# Altium PCB Board_Design.PcbDoc (part 2 of 3)
Units mil, origin at the board's own origin, x right, y up, seen from the top; angles counter-clockwise.
Board outline 5510 x 2520.05 mil, 4 copper layers (Top Layer, Power, Ground, Bottom Layer); 245 components, 237 nets, 989 pads, 502 vias.
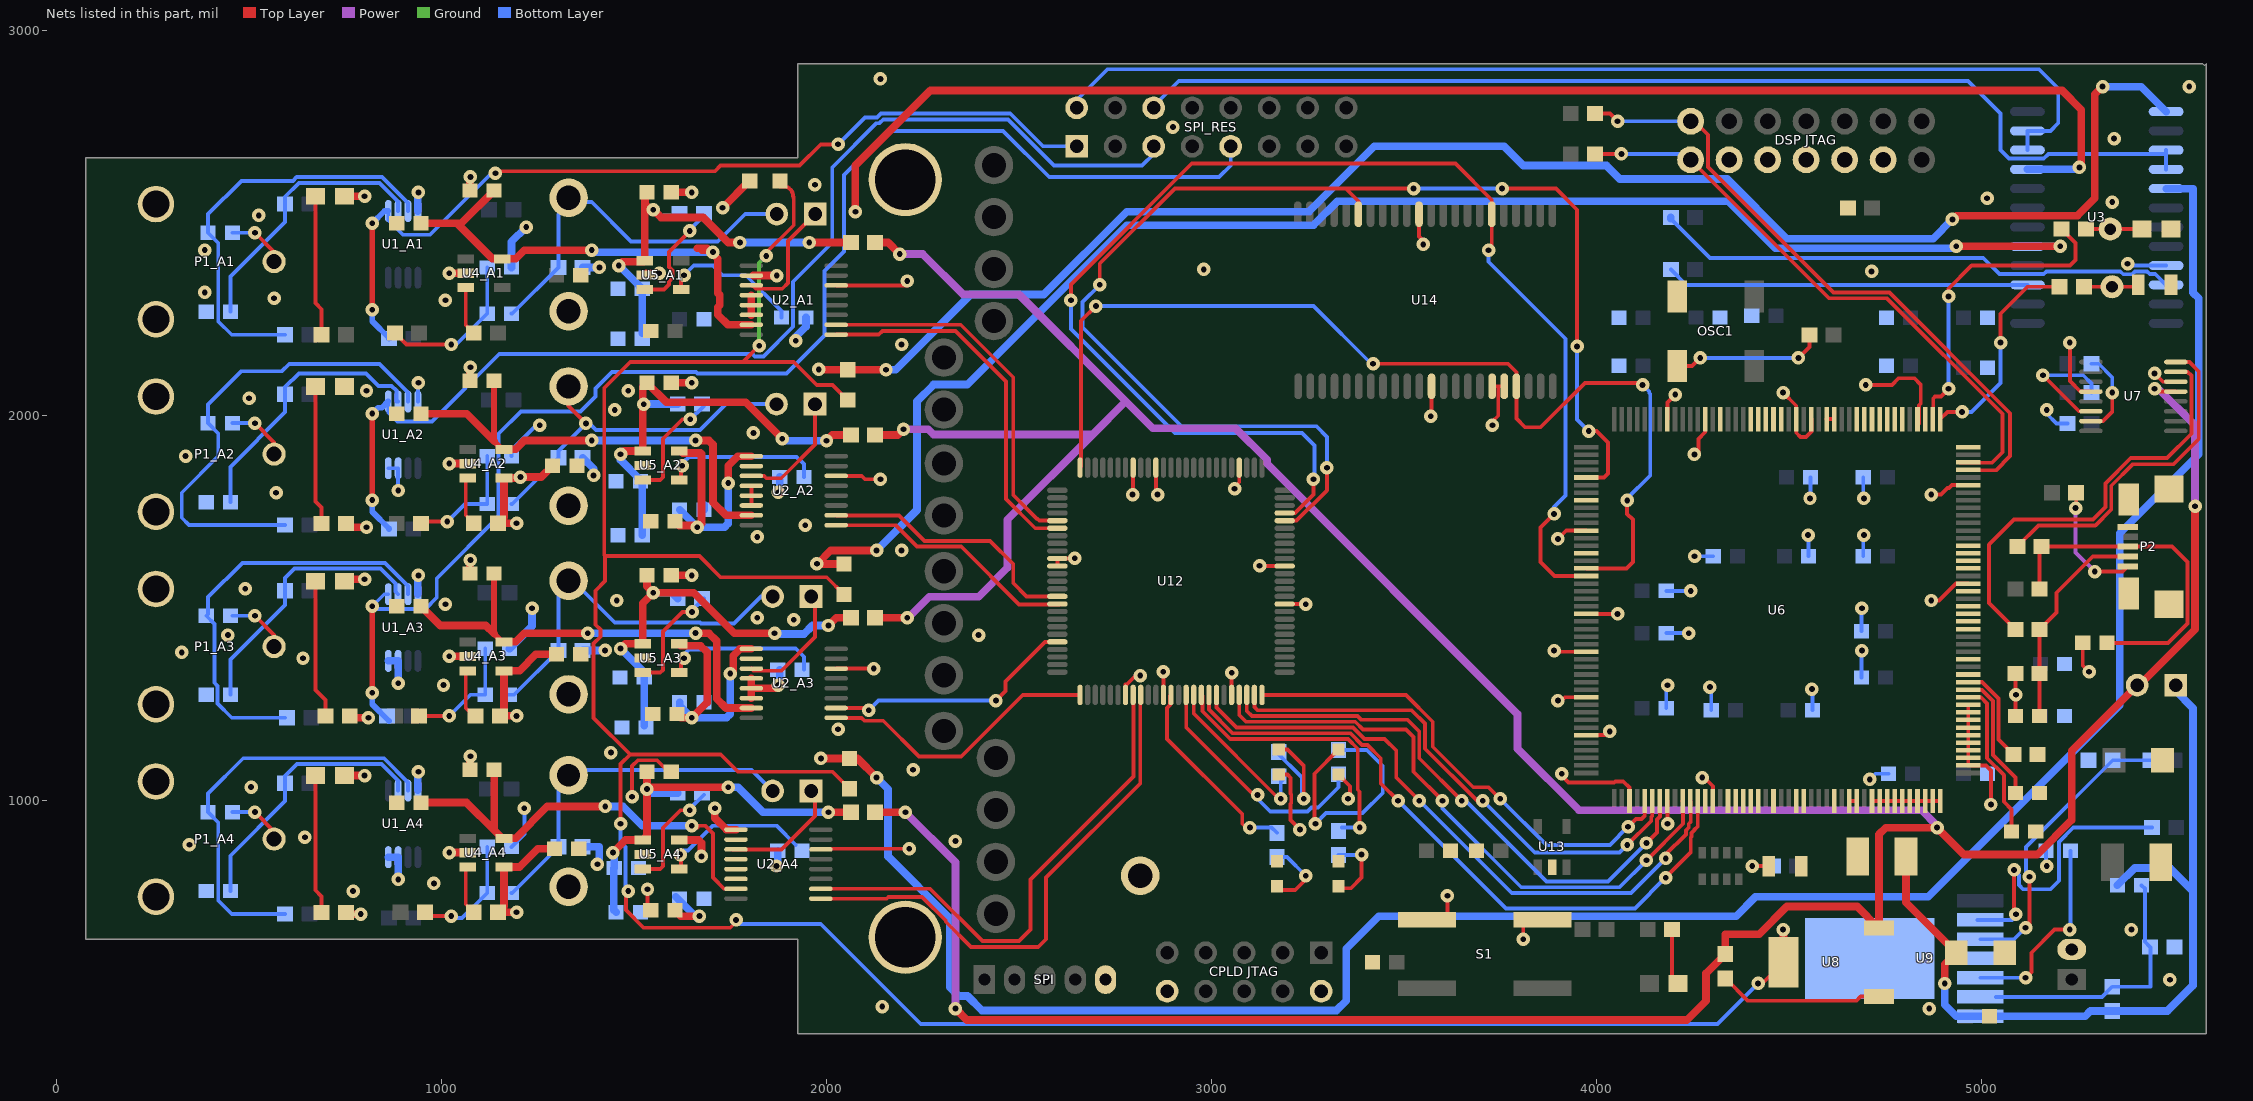
[diagram p4: the nets of this part, all layers, seen from the top]

## Via types
v1: diameter 35, hole 15, Top Layer to Bottom Layer, tented both sides, 501 vias
v2: diameter 35, hole 15, Top Layer to Bottom Layer, tented top, 1 vias

## Nets (pads, with @x,y where several pads share a name; then routed paths per layer and width w, separated by ;. In a path a pad name is that pad's centre, name@x,y a point inside that pad or via, vN(x,y) a via of type N, cw(c..) or ccw(c..) an arc to the next point about the centre after c; other vN are vias at no path point) (continued)
4.2V_A2: C1_A2.2 C7_A2.2 C63_A2.1 R5_A2.2 R7_A2.1 U1_A2.7 U1_A2.8 U2_A2.1 U4_A2.4 U5_A2.5 | length 1133.4
  Top Layer w20: R7_A2.1@751.5,1715.73 757.22,1710 v1(805,1710) ; U4_A2.4@1157.24,1838.32 v1@1202.6,1838.32 ; U4_A2.4@1162.24,1837.81 1162.24,1736.47 R5_A2.2@1146.5,1720.73 v1(1195,1720.73) ; v1(1205,1840.73) 1259.23,1840.73 C63_A2.1@1288.5,1870 ; C7_A2.2@1606.5,1725.73 1617.22,1715 1670,1715 1675,1720 1675,1900.73 1672.5,1903.23 1627.15,1903.23 U5_A2.5@1622.24,1908.13 ; v1(1745,1825) 1745,1870.21 1769.57,1894.78 U2_A2.1@1804.76,1894.78
  Bottom Layer w10: U1_A2.8@861.61,1863.6 U1_A2.7@887.2,1863.6 v1(887.2,1805.73)
  Bottom Layer w20: C1_A2.2@1618.5,1755.73 v1(1664.02,1710.21) 1735,1710.21 1745,1720.21 v1(1745,1825)
4.2V_A3: C1_A3.2 C7_A3.2 C63_A3.1 R5_A3.2 R7_A3.1 U1_A3.7 U1_A3.8 U2_A3.1 U4_A3.4 U5_A3.5 | length 1151.5
  Top Layer w20: R7_A3.1@751.5,1215.21 v1(810,1215.21) ; U4_A3.4@1157.24,1337.81 1202.6,1337.81 1244.79,1380 C63_A3.1@1298.5,1380 ; U4_A3.4@1162.24,1337.3 1162.24,1230.96 R5_A3.2@1151.5,1220.21 v1(1195,1220.21) ; C7_A3.2@1606.5,1225.21 C7_A3.2@1611.5,1225.21 1621.5,1215.21 v1(1650,1215.21) 1690,1255.21 1690,1385.21 1672.5,1402.71 1622.15,1402.71 U5_A3.5@1617.24,1407.62 ; v1(1750,1330) 1755.88,1330 1758.05,1332.17 1758.05,1376.84 1775.48,1394.27 U2_A3.1@1804.76,1394.27
  Bottom Layer w20: U1_A3.8@861.61,1363.09 U1_A3.7@887.2,1363.09 v1(887.2,1305.21) ; C1_A3.2@1618.5,1255.21 1618.5,1246.71 v1(1650,1215.21) 1740,1215.21 1750,1225.21 v1(1750,1330)
4.2V_A4: C1_A4.2 C7_A4.2 C63_A4.1 R5_A4.2 R7_A4.1 U1_A4.7 U1_A4.8 U2_A4.1 U4_A4.4 U5_A4.5 | length 782.2
  Top Layer w20: R7_A4.1@751.5,705.21 v1(790,705.21) ; U4_A4.4@1157.24,827.81 1202.6,827.81 1249.79,875 C63_A4.1@1293.5,875 ; U4_A4.4@1162.24,827.3 1162.24,725.96 R5_A4.2@1146.5,710.21 v1(1195,710.21) ; C7_A4.2@1606.5,715.21 1621.71,700 v1(1670,700) ; U5_A4.5@1622.24,897.62 1667.6,897.62 1675,890.21 v1(1675,855) ; v1(1710,980) 1710,955 1740.43,924.57 U2_A4.1@1764.76,924.57
  Bottom Layer w20: U1_A4.8@861.61,853.09 U1_A4.7@887.2,853.09 v1(887.2,795.21) ; C1_A4.2@1608.5,750.43 v1@1664.47,694.47
4.096V_A1: C5_A1.2 C62_A1.1 U2_A1.7 U4_A1.5 | length 1295.6
  Top Layer w10: 1665,2435.21 1675.21,2425 1700.21,2425 v1(1705,2425)
  Top Layer w20: C62_A1.1@946.5,2500 1040,2500 ; C5_A1.2@1136.5,2585.21 1051.28,2500 1040,2500 ; v1(1390,2430.21) 1215,2430.21 1192.4,2407.62 U4_A1.5@1157.24,2407.62 1132.38,2407.62 1040,2500 ; 1665,2435.21 1690,2435.21 1700.21,2425 1717.5,2407.71 1717.5,2318.68 1722.5,2313.68 1722.5,2286.75 1717.5,2281.75 1717.5,2262.71 1743.98,2236.24 U2_A1.7@1804.76,2236.24
  Bottom Layer w20: v1(1390,2430.21) 1395.21,2425 v1(1705,2425)
4.096V_A2: C5_A2.2 C62_A2.1 U2_A2.7 U4_A2.5 | length 1238
  Top Layer w10: v1(1660,1935.73) v1@1665,1940.73
  Top Layer w15: C5_A2.2@1136.5,2090.73 1136.5,1933.88 U4_A2.5@1157.24,1913.13
  Top Layer w20: C62_A2.1@946.5,2005 1065.37,2005 1136.5,1933.88 ; U4_A2.5@1157.24,1913.13 1192.4,1913.13 1215,1935.73 v1(1390,1935.73) ; v1(1660,1935.73) 1694.49,1935.73 1705,1925.21 1705,1775.21 1738.98,1741.24 U2_A2.7@1804.76,1741.24
  Bottom Layer w20: v1(1390,1935.73) v1(1660,1935.73)
4.096V_A3: C5_A3.2 C62_A3.1 U2_A3.7 U4_A3.5 | length 1238.4
  Top Layer w10: v1(1660,1435.21) v1@1665,1440.21
  Top Layer w15: C5_A3.2@1136.5,1590.21 1136.5,1433.36 U4_A3.5@1157.24,1412.62
  Top Layer w20: C62_A3.1@946.5,1505 996.5,1455 1114.86,1455 1136.5,1433.36 ; U4_A3.5@1157.24,1412.62 1192.4,1412.62 1215,1435.21 1215.21,1435 v1(1380,1435) ; v1(1660,1435.21) 1694.49,1435.21 1715,1414.7 1715,1264.7 1738.98,1240.73 U2_A3.7@1804.76,1240.73
  Bottom Layer w20: v1(1380,1435) 1659.79,1435 v1(1660,1435.21)
4.096V_A4: C5_A4.2 C62_A4.1 U2_A4.7 U4_A4.5 | length 1210.1
  Top Layer w10: v1(1650,935) v1@1660.21,935 ; v1@1665,930.21 v1@1660.21,935 ; U2_A4.7@1764.76,771.02 1733.98,771.02 1705,800 1705,914.7 1684.7,935 v1@1660.21,935
  Top Layer w20: C62_A4.1@946.5,995 1064.86,995 1136.5,923.36 ; C5_A4.2@1136.5,1080.21 1136.5,923.36 ; v1(1425,985) 1274.79,985 1192.4,902.62 1157.24,902.62 1136.5,923.36
  Bottom Layer w20: v1(1425,985) 1471.11,985 1521.11,935 v1(1650,935)
5V_A1: C6_A1.2 C50_A1.1 C61_A1.1 FB1_A1.2 R8_A1.2 U5_A1.1 | length 1114.3
  Top Layer w10: C6_A1.2@1533.5,2574.47 1533.5,2551.71 v1(1550,2535.21)
  Top Layer w20: v1(1460,2390) 1470,2400 1525.14,2400 U5_A1.1@1527.76,2402.62 C6_A1.2@1527.76,2574.47 ; v1(1550,2535.21) 1570.21,2515 1680,2515 1745,2450 v1(1775,2450) ; v1(1955,2450) FB1_A1.2@2063.5,2450
  Bottom Layer w10: v1(1550,2535.21) 1565,2520.21 R8_A1.2@1618.5,2520.21
  Bottom Layer w20: v1@1461.5,2390 C61_A1.1@1521.5,2330 C50_A1.1@1521.5,2215 ; v1(1775,2450) v1(1955,2450)
5V_A2: C6_A2.2 C50_A2.1 C61_A2.1 FB1_A2.2 R8_A2.2 U5_A2.1 | length 1156.7
  Top Layer w20: v1(1465,1900) 1473.13,1908.13 U5_A2.1@1522.76,1908.13 1522.76,2074.98 C6_A2.2@1533.5,2085.73 1584.23,2035 1790,2035 v1(1885,1940) ; v1(2000,1935) 2015,1950 FB1_A2.2@2063.5,1950
  Bottom Layer w20: v1(1465,1900) 1465,1885 1516.5,1833.5 C61_A2.1@1516.5,1830 ; C50_A2.1@1521.5,1690 C61_A2.1@1521.5,1825 ; v1(1525,2030) 1525.21,2030.21 R8_A2.2@1613.5,2030.21 ; v1(1885,1940) 1890,1935 v1(2000,1935)
5V_A3: C6_A3.2 C50_A3.1 C61_A3.1 FB1_A3.2 R8_A3.2 U5_A3.1 | length 1125.8
  Top Layer w20: v1(1465,1395) 1477.62,1407.62 U5_A3.1@1522.76,1407.62 1522.76,1512.97 v1(1550,1540.21) ; C6_A3.2@1533.5,1585.21 1533.5,1556.71 v1(1550,1540.21) ; v1(1865,1435) 1760,1435 1654.79,1540.21 v1(1550,1540.21) ; v1(2005,1455) 2025,1475 FB1_A3.2@2063.5,1475
  Bottom Layer w20: v1(1465,1395) 1526.5,1333.5 C61_A3.1@1526.5,1320 C50_A3.1@1526.5,1195 ; v1(1550,1540.21) 1598.5,1540.21 R8_A3.2@1613.5,1525.21 ; v1@1867.71,1432.71 1941.39,1432.71 1963.68,1455 v1(2005,1455)
5V_A4: C6_A4.2 C50_A4.1 C61_A4.1 FB1_A4.2 R8_A4.2 U5_A4.1 | length 1071
  Top Layer w20: v1(1445,865) 1477.62,897.62 U5_A4.1@1522.76,897.62 1533.5,908.36 v1(1533.5,1030) ; C6_A4.2@1533.5,1075.21 v1(1533.5,1030) ; v1(1745,1035) 1538.5,1035 v1(1533.5,1030) ; v1(2005,970) FB1_A4.2@2063.5,970
  Bottom Layer w20: v1@1448.5,861.5 C61_A4.1@1448.5,825 1447.5,824 1447.5,716 C50_A4.1@1453.5,710 ; v1(1533.5,1030) 1543.8,1019.7 R8_A4.2@1613.5,1019.7 ; v1(1745,1035) 1770,1035 1835,970 v1(2005,970)
5VD: 5V.2 FB1_A1.1 FB1_A2.1 FB1_A3.1 FB1_A4.1 R13.1 U7.13 U8.4 | length 10430.1
  Top Layer w10: v1(5450,2070) 5457.2,2062.8 U7.13@5505.24,2062.8
  Top Layer w20: FB1_A4.1@2126.5,970 v1(2205,970) ; FB1_A3.1@2126.5,1475 v1(2210,1475) ; FB1_A2.1@2126.5,1950 2185,1950 v1(2200,1965) ; FB1_A1.1@2126.5,2450 2160,2450 v1(2190,2420) ; v1(2335,460) 2365,430 4235,430 4285,480 4285,551.5 R13.1@4335,601.5 4335,652.71 4422.71,652.71 4495,725 4677.81,725 U8.4@4734.02,668.8 4734.02,912.08 4751.94,930 v1(4885,930) 4955,860 5145,860 5235,950 5235,1130 5V.2@5405,1300 5410,1300 5555.29,1445.29 v1(5555.29,1764.71)
  Power w20: v1(2190,2420) 2250,2420 2355,2315 2500,2315 2775,2040 ; v1(2200,1965) 2264.06,1965 2278.08,1950.98 2690.98,1950.98 ; v1(2205,970) 2335,840 v1(2335,460) ; v1@2212.09,1475 2267.09,1530 2395,1530 2470,1605 2470,1730 2690.98,1950.98 ; v1@4885,935 4845,975 3955,975 3795,1135 3795,1225 3144.72,1875.28 3144.72,1885.28 3062.5,1967.5 2847.5,1967.5 2775,2040 ; v1(5450,2070) 5460,2070 5555.29,1974.71 v1(5555.29,1764.71) ; 2690.98,1950.98 2775,2035 2775,2040
5VD_1: 5V.1 C49.2 C51.1 C52.1 R22.1 U9.7 | length 2180.8
  Top Layer w20: C51.1@4804.21,855 4804.21,735.79 C52.1@4935,605 4905,575 v1(4905,525)
  Bottom Layer w20: v1(4905,525) 4905,470 4935,440 U9.7@4997.6,440 5270,440 5283.5,453.5 R22.1@5340,453.5 5483.5,453.5 5550,520 5550,765 ; C49.2@5353.5,780 5398.5,825 5490,825 5550,765 ; 5V.1@5505,1300 5505,1285 5550,1240 5550,765
AGND1: AGND_A1.1 C1_A1.1 C2_A1.1 C5_A1.1 C6_A1.1 C7_A1.1 C8_A1.1 C23_A1.1 C50_A1.2 C61_A1.2 C62_A1.2 C63_A1.2 D1_A1.1 NT1_A1.1 P1_A1.2 P1_A1.3 R3_A1.1 U1_A1.4 U2_A1.2 U2_A1.4 U2_A1.5 U2_A1.6 U3.21 U4_A1.2 U5_A1.2 | length 4416.7
  Top Layer w20: D1_A1.1@747.4,2570.21 v1(800,2570.21) ; v1(1020,2370.21) U4_A1.2@1062.76,2370.21 ; C5_A1.1@1073.5,2585.21 v1@1073.5,2620.21 ; U5_A1.2@1527.76,2365.21 1532.54,2370 v1(1565,2370) ; C6_A1.1@1596.5,2580.21 v1(1650,2580.21) ; v1(1730,2540) 1800,2610 NT1_A1.1@1800.63,2610 ; U2_A1.5@1802.35,2285 U2_A1.5@1804.76,2287.42 ; U2_A1.6@1804.76,2261.83 U2_A1.5@1804.76,2287.42 ; U2_A1.4@1804.76,2313.01 U2_A1.5@1804.76,2287.42 ; U2_A1.2@1809.76,2364.19 v1(1871.02,2364.19) ; v1(2075,2530) 2075,2650 2270,2845 5210,2845 5260,2795 5260,2650 v1(5255,2645)
  Bottom Layer w20: U1_A1.4@938.39,2531.83 v1@938.39,2578.6 ; C23_A1.1@1181.5,2385 1181.5,2451.5 v1(1220,2490) ; R3_A1.1@1366.5,2385.21 v1(1410,2385.21) ; v1(1920,2195) 1920,2205 1946.5,2231.5 C8_A1.1@1946.5,2255.21 ; U3.21@5119.88,2640 5250,2640 v1(5255,2645)
  other v1: 1010,2300.21 565,2305 385,2320.21 385,2430.21 525,2520.21 940,2580.21 1970,2600 1075,2620.21
AGND2: AGND_A2.1 C1_A2.1 C2_A2.1 C5_A2.1 C6_A2.1 C7_A2.1 C8_A2.1 C23_A2.1 C50_A2.2 C61_A2.2 C62_A2.2 C63_A2.2 D1_A2.1 NT1_A2.1 P1_A2.2 P1_A2.3 R3_A2.1 U1_A2.4 U2_A2.2 U2_A2.4 U2_A2.5 U2_A2.6 U3.1 U4_A2.2 U5_A2.2 | length 4647.7
  Top Layer w10: U2_A2.6@1804.76,1766.83 U2_A2.5@1804.76,1792.42 U2_A2.4@1804.76,1818.01
  Top Layer w20: v1(1020,1875.73) U4_A2.2@1062.76,1875.73 ; C5_A2.1@1073.5,2090.73 v1@1073.5,2125.73 ; C6_A2.1@1596.5,2085.73 v1(1650,2085.73) ; v1@1984.17,2120 1984.58,2119.58 NT1_A2.1@2055,2119.58 v1(2154.58,2119.58) v1@2155,2120 ; v1(4925,2510) 4934.69,2519.69 5249.69,2519.69 5295,2565 5295,2835 v1(5315,2855)
  Bottom Layer w10: U1_A2.4@938.39,2037.34 v1@938.39,2084.11 ; C23_A2.1@1181.5,1895 1181.5,1911.5 1245,1975 v1(1255,1975)
  Bottom Layer w20: P1_A2.3@257.91,2049.82 P1_A2.3@257.91,2060 ; R3_A2.1@1366.5,1890.73 1395,1862.22 v1(1395,1845) ; C1_A2.1@1681.5,1755.73 C1_A2.1@1681.5,1768.5 ; v1@1878.5,1804.23 C8_A2.1@1878.5,1840.73 ; v1(2154.58,2119.58) 2179.58,2119.58 2375,2315 2564.64,2315 2779.64,2530 3253.28,2530 3423.28,2700 3760,2700 3810,2650 4026.11,2650 4061.11,2615 4340,2615 4495,2460 4875,2460 v1(4925,2510) ; v1(5315,2855) 5415.12,2855 U3.1@5480.12,2790
  other v1: 1820,1685.21 1945,1715.21 570,1800 1875,1800.73 335,1895.21 1810,1955.21 1450,2015.21 500,2045.21 805,2065 1485,2065 940,2085.73 1980,2120.21 1075,2125.73
AGND3: AGND_A3.1 C1_A3.1 C2_A3.1 C5_A3.1 C6_A3.1 C7_A3.1 C8_A3.1 C23_A3.1 C50_A3.2 C61_A3.2 C62_A3.2 C63_A3.2 D1_A3.1 NT1_A3.1 P1_A3.2 P1_A3.3 R3_A3.1 U1_A3.4 U2_A3.2 U2_A3.4 U2_A3.5 U2_A3.6 U3.17 U4_A3.2 U5_A3.2 | length 4572.5
  Top Layer w20: D1_A3.1@747.4,1575.21 v1(800,1575.21) ; v1(1020,1375.21) U4_A3.2@1062.76,1375.21 ; C5_A3.1@1073.5,1590.21 v1@1073.5,1625.21 ; C6_A3.1@1596.5,1585.21 v1(1650,1585.21) ; U2_A3.6@1804.76,1266.32 U2_A3.5@1804.76,1291.91 ; U2_A3.4@1804.76,1317.5 U2_A3.5@1804.76,1291.91 ; v1(1875,1300.21) 1866.69,1291.91 U2_A3.5@1804.76,1291.91 ; NT1_A3.1@2045,1614.58 1975.63,1614.58 2011.05,1650 v1(2130,1650) ; v1(4935,2440) v1(5205,2440)
  Bottom Layer w20: U1_A3.4@938.39,1536.83 v1@938.39,1583.6 ; C23_A3.1@1176.5,1395 1235,1453.5 v1(1235,1500) ; R3_A3.1@1366.5,1390.21 v1(1424.79,1390.21) ; v1@1878.5,1303.72 C8_A3.1@1878.5,1340.21 ; v1(2130,1650) 2235,1755 2235,2037.91 2278.08,2080.98 2365.98,2080.98 2780,2495 3265,2495 3327.5,2557.5 4342.5,2557.5 4465,2435 4930,2435 v1(4935,2440) ; U3.17@5119.88,2440 v1(5205,2440)
  other v1: 2030,1185.21 1005,1300.21 640,1370.21 325,1385.21 445,1430 1915,1470 1820,1475 1010,1510.21 1455,1520 490,1550.21 940,1585.21 1975,1615.21 1075,1625.21
AGND4: AGND_A4.1 C1_A4.1 C2_A4.1 C5_A4.1 C6_A4.1 C7_A4.1 C8_A4.1 C23_A4.1 C50_A4.2 C61_A4.2 C62_A4.2 C63_A4.2 D1_A4.1 NT1_A4.1 P1_A4.2 P1_A4.3 R3_A4.1 U1_A4.4 U2_A4.2 U2_A4.4 U2_A4.5 U2_A4.6 U3.5 U4_A4.2 U5_A4.2 | length 6440.6
  Top Layer w10: v1(1495,1010) 1495,1090 1510,1105 1560,1105 1589.79,1075.21 C6_A4.1@1596.5,1075.21 ; v1(1535,770) 1535,723.72 C7_A4.1@1543.5,715.21
  Top Layer w20: D1_A4.1@747.4,1065.21 v1(800,1065.21) ; v1(1020,865.21) U4_A4.2@1062.76,865.21 ; C5_A4.1@1073.5,1080.21 v1@1073.5,1115.21 ; v1(1985.63,1109.58) NT1_A4.1@2060,1109.58 2080.42,1109.58 v2(2130,1060)
  Bottom Layer w10: C23_A4.1@1181.5,880 1215,913.5 v1(1215,980)
  Bottom Layer w20: U1_A4.4@938.39,1026.83 v1@938.39,1073.6 ; R3_A4.1@1366.5,880.21 1410,880.21 1410,840 v1(1405,835) ; v1@1873.5,833.72 C8_A4.1@1873.5,870.21 ; v2(2130,1060) 2160,1030 2160,855 2320,695 2320,515 2342.5,492.5 2366.29,492.5 2403.79,455 3325,455 3350,480 3350,615 3435,700 4363.28,700 4413.28,750 4861.94,750 5360,1248.06 5360,1695 5565,1900 5565,2305 5550,2320 5550,2590 U3.5@5480.12,2590
  other v1: 770,765 980,785 1870,830.21 345,885.21 645,905.21 505,1035.21 940,1075.21 1075,1115.21 1440,1125
C\O\N\V\S\T\_1: U2_A1.9 U12.6 | length 969.2
  Top Layer w10: U2_A1.9@2025.24,2210.65 2135.65,2210.65 2145,2220 2335,2220 2465.98,2089.02 2465.98,1784.02 2542.2,1707.8 U12.6@2599.72,1707.8
C\O\N\V\S\T\_2: U2_A2.9 U12.16 | length 664.9
  Top Layer w10: U2_A2.9@2025.24,1715.65 2179.35,1715.65 2235,1660 2350,1660 2500,1510 U12.16@2605,1510
C\O\N\V\S\T\_3: U2_A3.9 U12.26 | length 741.2
  Top Layer w10: U2_A3.9@2025.24,1215.13 2090.97,1215.13 2098.61,1207.5 2147.5,1207.5 2240,1115 2350,1115 2509.72,1274.72 U12.26@2658.78,1274.72
C\O\N\V\S\T\_4: U2_A4.9 U12.34 | length 1377.2
  Top Layer w10: U2_A4.9@1995,745.13 2156.37,745.13 2161.23,750 2248.22,750 2309.72,688.49 2309.72,685.28 2375,620 2550,620 2570,640 2570,800 2815,1045 U12.34@2815,1274.72
DGND: "CPLD JTAG.2" "CPLD JTAG.10" "DSP JTAG.4" "DSP JTAG.6" "DSP JTAG.8" "DSP JTAG.10" "DSP JTAG.12" C9.2 C10.2 C11.2 C12.2 C13.2 C14.2 C15.2 C16.2 C17.2 C18.2 C19.2 C20.2 C21.2 C22.2 C24.1 C25.1 C29.2 C30.2 C31.2 C32.2 C33.2 C34.2 C35.2 C36.2 C37.2 C38.2 C39.2 C40.2 C47.2 C48.1 C51.2 C52.2 C53.2 C54.2 C55.2 C56.1 C59.2 D2.1 D5.C D6.C D7.C D8.C D9.C D10.C DGND.1 NT1_A1.2 NT1_A2.2 NT1_A3.2 NT1_A4.2 OSC1.2 P2.5 P2.SHD P3.2 pad.0 R19.1 R20.2 R21.2 R23.2 R28.2 R43.1 S1.1 S1.2 SPI.5 U2_A1.14 U2_A2.14 U2_A3.14 U2_A4.14 U3.9 U6.3 U6.8 U6.14 U6.22 U6.30 U6.32 U6.33 U6.35 U6.36 U6.37 U6.38 U6.39 U6.40 U6.41 U6.42 U6.43 U6.44 U6.46 U6.47 U6.48 U6.49 U6.50 U6.51 U6.52 U6.53 U6.54 U6.58 U6.60 U6.70 U6.83 U6.92 U6.103 U6.104 U6.106 U6.108 U6.118 U6.120 U6.125 U6.140 U6.144 U6.147 U6.155 U6.160 U6.166 U6.171 U7.4 U7.14 U8.5 U9.4 U9.8 U12.10 U12.11 U12.32 U12.37 U12.46 U12.60 U12.65 U12.79 U12.90 U12.93 U13.2 U14.12 U14.34 U14.39 U14.40 | length 12613.4
  Top Layer w10: v1(1465,940) 1465,1095 1490,1120 ; v1@1478.7,760 1478.7,716.3 1525,670 1749.79,670 v1@1766.3,686.51 ; 1784.12,2140.88 v1(1825,2181.76) ; v1(1843.57,2415) 1843.57,2423.57 1915,2495 1915,2559.37 ccw(c1879.37,2559.37) 1912.81,2571.68 ccw(c1889.49,2571.68) 1889.49,2595 NT1_A1.2@1879.37,2595 ; U2_A4.14@2000,875 v1(2215,875) ; U2_A3.14@2025.24,1343.09 v1(2122.87,1343.09) ; U2_A2.14@2025.24,1843.6 2091.61,1843.6 2100.21,1835 v1(2140,1835) ; U2_A1.14@2025.24,2338.6 v1@2210,2338.6 ; NT1_A3.2@2045,1535.84 2000.63,1580.21 1725,1580.21 1670,1635.21 1425,1635.21 ; NT1_A2.2@2055,2040.84 2015.63,2080.21 1974.79,2080.21 1915,2140 1490,2140 1422.5,2072.5 1422.5,1637.71 1425,1635.21 ; NT1_A4.2@2060,1030.84 2015.63,1075.21 1770,1075.21 1725.21,1120 1490,1120 ; U12.11@2599.72,1609.37 U12.10@2599.72,1629.06 v1@2644.06,1629.06 ; U12.32@2776.89,1274.72 2776.89,1302.5 2780.78,1302.5 2803.28,1325 v1(2815,1325) ; v1@2796.57,1796.57 U12.93@2796.57,1865.28 ; v1@2855.63,1800.63 U12.90@2855.63,1865.28 ; U12.37@2875.32,1274.72 v1@2875.32,1339.68 ; U12.46@3052.48,1274.72 v1(3052.48,1332.52) ; v1(3060,1810) 3060,1815 3072.17,1827.17 U12.79@3072.17,1865.28 ; v1@3125.63,1609.37 U12.65@3190.28,1609.37 ; D6.C@3175,1067.52 3197.48,1067.52 3205.5,1059.5 3205.5,1018.39 3207.5,1016.39 3207.5,993.61 3205.5,991.61 3205.5,949.5 v1(3230,925) ; U12.60@3190.28,1510.94 v1@3244.06,1510.94 ; D7.C@3330,1067.52 3360,1037.52 v1@3360,1000 ; U14.12@3539.25,2523.5 3539.25,2465.75 3550,2455 v1(3550,2445) ; v1(3570,1998.43) 3571.75,2000.18 U14.34@3571.75,2076.5 ; S1.2@3613.15,690.21 v1(3613.15,753.15) ; U14.39@3729.23,2076.5 3745,2076.5 ; v1(3730,1975) 3730,1985 3745,2000 3745,2076.5 ; U14.40@3760.72,2076.5 3745,2076.5 ; v1(3810,640.21) S1.1@3810,690.21 ; v1(3890,1390) 3893.3,1386.7 U6.160@3973.9,1386.7 ; v1(3900,1260) 3910,1260 3918.6,1268.6 U6.166@3973.9,1268.6 ; v1(3900,1680) 3921.7,1701.7 U6.144@3973.9,1701.7 ; v1@3910,1065 3927.5,1047.5 4046.39,1047.5 4048.89,1050 4070,1050 4086.1,1033.9 U6.3@4086.1,998.9 ; U6.171@3973.9,1170.2 4025.2,1170.2 v1(4035,1180) ; U6.155@3973.9,1485.2 v1@4054.8,1485.2 ; U6.8@4184.6,998.9 4184.6,940.4 v1(4185,940) ; U6.125@4184.6,1991.1 4184.6,2034.6 v1(4205,2055) ; v1(4254.8,1899.38) 4264.38,1899.38 4265,1900 4265,1940 4283,1958 U6.120@4283,1991.1 ; v1@4280,1060 4302.7,1037.3 U6.14@4302.7,998.9 ; v1(4420,525.21) 4430.98,525.21 U8.5@4485.98,580.21 ; v1(4485,2060) 4519.2,2025.8 U6.108@4519.2,1991.1 4519.2,1955.8 4530,1945 4545,1945 4558.6,1958.6 U6.106@4558.6,1991.1 ; U6.104@4598,1991.1 U6.103@4617.6,1991.1 ; U6.32@4657,998.9 U6.33@4676.7,998.9 ; v1@4700,2070 v1(4700,2080) 4767.8,2080 4785.3,2097.5 4826.39,2097.5 4842.5,2081.39 4842.5,2031.24 4838,2026.74 U6.92@4838,1980 ; U6.35@4716.1,998.9 U6.36@4735.7,998.9 U6.37@4755.4,998.9 U6.38@4775.1,998.9 U6.39@4794.8,998.9 U6.40@4814.5,998.9 U6.41@4834.2,998.9 U6.42@4853.9,998.9 U6.43@4873.5,998.9 U6.44@4893.2,998.9 ; v1(4870,1520) 4890,1520 4933.9,1563.9 U6.70@4966.1,1563.9 ; v1(4870,1795) 4895,1795 4912,1812 4916.39,1812 4924.19,1819.8 U6.83@4966.1,1819.8 ; U6.54@4966.1,1248.9 U6.53@4966.1,1229.3 U6.52@4966.1,1209.6 U6.51@4966.1,1189.9 U6.50@4966.1,1170.2 U6.49@4966.1,1150.5 U6.48@4966.1,1130.8 U6.47@4966.1,1111.1 U6.46@4966.1,1091.5 5012.29,1091.5 5025,1078.79 v1(5025,990) ; C56.1@5088.5,1220 R20.2@5088.5,1330 ; v1(5230,2190) 5230,2090 5257.2,2062.8 U7.4@5284.76,2062.8 ; C59.2@5263.5,1410 5263.5,1351.5 v1(5280,1335) ; v1(5450,2110) 5471.61,2088.39 U7.14@5505.24,2088.39 ; 1425,1635.21 1425,1570.21 1400,1545.21 1400,1457.03 1412.5,1444.53 1412.5,1425.89 1395,1408.39 1395,1215 1490,1120